# Altium PCB QO100-ADF4351-Ferq-FR4-1.6_V2.61.PcbDoc (part 2 of 2)
Units mm, origin at the board's own origin, x right, y up, seen from the top; angles counter-clockwise.
Board outline 92.08 x 41.15 mm, 2 copper layers (Top Layer, Bottom Layer); 118 components, 37 nets, 354 pads, 687 vias.
Unrouted connection lines stored in the file: 3.
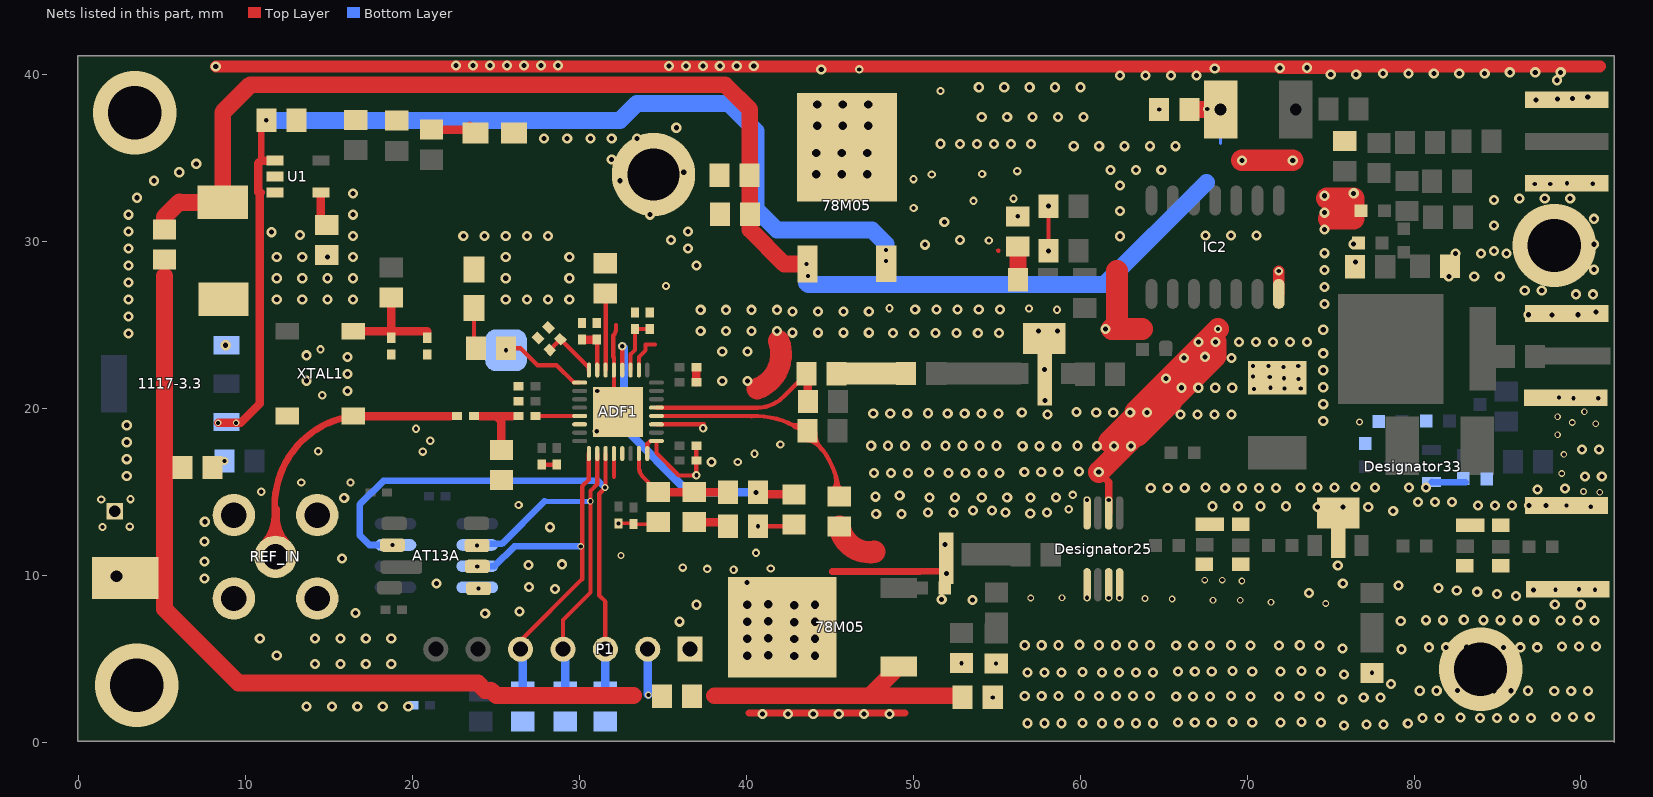
[diagram p2: the nets of this part, all layers, seen from the top]

## Via types
v1: diameter 0.61, hole 0.305, Top Layer to Bottom Layer, 509 vias
v2: diameter 0.4, hole 0.25, Top Layer to Bottom Layer, 84 vias
v3: diameter 0.5, hole 0.25, Top Layer to Bottom Layer, 54 vias
v4: diameter 1, hole 0.5, Top Layer to Bottom Layer, 28 vias
v5: diameter 0.6, hole 0.3, Top Layer to Bottom Layer, 7 vias
v6: diameter 5, hole 3.2, Top Layer to Bottom Layer, 4 vias
v7: diameter 0.508, hole 0.254, Top Layer to Bottom Layer, 1 vias

## Nets (pads, with @x,y where several pads share a name; then routed paths per layer and width w, separated by ;. In a path a pad name is that pad's centre, name@x,y a point inside that pad or via, vN(x,y) a via of type N, cw(c..) or ccw(c..) an arc to the next point about the centre after c; other vN are vias at no path point) (continued)
GND: 1n.1@19.058,37.252 1u.1 4.7k.2 10n.1 10u.2 51R.1@25.325,15.737 78M05.2 100n.1 360R.1 1117-3.3.1 ADF1.8 ADF1.9 ADF1.11 ADF1.18 ADF1.21 ADF1.33 AT13A.4 c1.2 C7.2 C8.1 C9.2 C10.1 C11.2 C12.1 C13.2 C14.1 C18.1 C22.2@42.851,13.07 C25.1 C26.1 C27.1 C28.1 C29.1 C30.1 C31.1 C32.1 C33.1@54.758,2.702 C33.2@56.258,31.527 C35.2 C38.1 C39.1 C88.2 c227.1 D41.1 D42.2 Designator25.1 Designator25.3 Designator25.4 Designator25.6 Designator25.8 Designator33.2 Designator37.1 Designator40.1 Designator41.2 Designator42.2 Designator43.1 IC2.7 LED1.2 LED2.2 P1.1 pad.3@89.133,14.202 pad.5@57.85,24.2 pad.5@75.45,13.75 pad.5@89.208,9.177 pad.6@51.98,11.581 pad.6@51.983,10.127 pad.6@57.874,20.834 pad.6@57.874,22.358 pad.6@75.458,12.052 pad.6@89.158,25.702 pad.7@23.95,9.225 pad.8 pad.9@67.433,10.683 pad.9@69.608,10.683 pad.9@69.608,13.083 pad.9@83.033,10.602 pad.9@85.208,10.602 pad.9@85.208,13.002 pad.9@89.158,38.502 pad.11 pad.17 pad.20 R0.1 R16.1 R17.1 R18.1 R-ATT1.1 R-ATT2.2 REF_IN.2 RL2.1 RL4.1 U1.2 XTAL1.2 | length 173.8
  Top Layer w0.2: v2(32.333,13.127) 33.183,13.127 C14.1@33.233,13.077 C88.2@34.603,13.077
  Top Layer w0.254: C11.2@27.738,16.645 C13.2@28.627,16.645 ; 32.183,25.019 32.183,24.758 cw(c31.649,24.758) 32.031,24.384 cw(c31.649,24.758) 32.027,24.38 32.027,23.11 32.06,23.077 ADF1.21@32.06,22.312 32.06,20.062 ADF1.33@32.31,19.812 ; ADF1.18@33.56,22.312 33.56,23.094 33.961,23.495 33.961,23.844 34.516,23.844 ; ADF1.8@34.06,17.312 34.06,17.879 34.243,18.062 ADF1.9@34.61,18.062 34.61,17.337 35.945,16.002 37.009,16.002 v3(37.001,16.01) C9.2@37.001,16.891 C7.2@37.001,17.78 ; ADF1.11@34.61,19.062 v3@37.454,19.062 ; v3(40.703,12.954) C22.2@42.735,12.954 ; 55.083,29.477 55.102,29.458 ; v1(58.099,29.458) v1(58.099,32.133)
  Top Layer w0.4: 45.133,10.252 45.135,10.25 46.581,10.25 ; 46.558,10.227 46.581,10.25 ; v5(51.983,10.127) 51.858,10.252 50.381,10.252 50.379,10.25 46.581,10.25
  Top Layer w0.43: 40.175,1.775 48.578,1.775 49.5,1.775 ; v1(61.11,16.202) 61.708,15.604 Designator25.6@61.708,13.752
  Top Layer w0.508: C26.1@37.001,21.59 C25.1@37.001,22.479
  Top Layer w0.7: v1(8.208,40.502) 22.608,40.502 23.624,40.502 24.64,40.502 25.656,40.502 26.672,40.502 27.688,40.502 28.704,40.502 35.358,40.502 36.374,40.502 37.39,40.502 38.406,40.502 39.422,40.502 40.438,40.502 44.483,40.502 46.758,40.502 62.387,40.502 63.911,40.502 65.435,40.502 66.959,40.502 68.058,40.502 71.958,40.502 73.583,40.502 75.009,40.502 76.533,40.502 78.137,40.502 79.661,40.502 81.185,40.502 82.709,40.502 84.233,40.502 91.133,40.502 91.15,40.519 ; IC2.7@71.893,26.877 v3(71.893,28.242) ; v1(71.958,40.402) 74.708,40.402
  Top Layer w1.3: 40.658,21.202 ccw(c39.87,23.265) 41.933,24.052 ; v1(61.11,16.202) 63.287,18.379 63.445,18.379 65.434,20.369 ; 61.708,18.027 64.05,20.369 65.344,20.369 68.108,23.133 v1(68.108,24.002) ; 62.208,28.252 62.208,25.077 61.908,24.777 63.7,24.777 ; 63.303,19.822 v3(68.258,24.777) ; v1(69.683,34.877) v1(72.731,34.877) ; v1@74.776,32.616 76.383,32.616 76.383,31.378 74.882,31.378 75.681,32.177
  Bottom Layer w0.4: Designator33.2@81.053,15.613 81.078,15.588 Designator40.1@83.078,15.588
  other v1: 75.808,1.027 77.158,1.077 78.174,1.077 56.849,1.152 57.865,1.152 58.881,1.152 61.308,1.152 62.324,1.152 63.34,1.152 64.356,1.152 79.628,1.138 60.131,1.177 65.849,1.202 66.865,1.202 67.881,1.202 70.308,1.202 72.006,1.202 74.433,1.202 69.131,1.227 73.256,1.227 80.515,1.477 81.531,1.477 83.958,1.477 84.974,1.477 85.99,1.477 87.006,1.477 82.781,1.502 88.499,1.527 89.515,1.527 90.531,1.527 40.958,1.713 42.482,1.713 44.006,1.713 45.53,1.713 47.054,1.713 48.578,1.713 13.641,2.159 15.165,2.159 16.689,2.159 18.213,2.159 19.737,2.159 75.708,2.577 76.983,2.702 77.999,2.702 65.749,2.752 66.765,2.752 67.781,2.752 70.208,2.752 71.906,2.752 74.333,2.752 56.674,2.777 57.69,2.777 58.706,2.777 61.133,2.777 62.149,2.777 63.165,2.777 64.181,2.777 69.031,2.777 73.156,2.777 59.956,2.802 88.399,3.077 89.415,3.077 90.431,3.077 80.34,3.102 81.356,3.102 83.783,3.102 84.799,3.102 85.815,3.102 86.831,3.102 82.606,3.127 78.628,3.513 75.808,4.077 56.849,4.202 57.865,4.202 58.881,4.202 61.308,4.202 62.324,4.202 63.34,4.202 64.356,4.202 60.131,4.227 65.849,4.252 66.865,4.252 67.881,4.252 70.308,4.252 72.006,4.252 74.433,4.252 69.131,4.277 73.256,4.277 14.149,4.699 15.673,4.699 17.197,4.699 18.721,4.699 11.863,5.207 79.253,5.588 75.708,5.627 80.89,5.702 81.906,5.702 84.333,5.702 85.349,5.702 86.365,5.702 87.381,5.702 83.156,5.727 88.874,5.752 89.89,5.752 90.906,5.752 65.749,5.802 66.765,5.802 67.781,5.802 70.208,5.802 71.906,5.802 74.333,5.802 56.674,5.827 57.69,5.827 58.706,5.827 61.133,5.827 62.149,5.827 63.165,5.827 64.181,5.827 69.031,5.827 73.156,5.827 59.956,5.852 10.847,6.223 14.149,6.223 15.673,6.223 17.197,6.223 18.721,6.223 35.993,7.239 79.203,7.288 88.774,7.302 89.79,7.302 90.806,7.302 80.715,7.327 81.731,7.327 84.158,7.327 85.174,7.327 86.19,7.327 87.206,7.327 82.981,7.352 24.35,7.725 16.575,7.75 26.4,7.85 37.009,8.255 89.983,8.252 88.433,8.277 53.549,8.533 51.699,8.558 86.108,8.777 84.967,8.902 73.708,8.952 83.783,9.027 82.558,9.102 87.158,9.127 28.535,9.202 81.458,9.252 26.975,9.325 79.078,9.413 21.425,9.525 75.733,9.527 40.033,9.577 7.525,9.832 75.433,10.602 26.95,10.625 28.95,10.675 7.525,10.848 15.775,11.025 7.525,12.048 28.225,12.9 7.55,13.225 47.774,13.683 49.298,13.683 57.008,13.727 58.008,13.777 50.874,13.783 52.398,13.783 55.523,13.783 78.75,13.875 74.208,14.102 75.732,14.102 77.256,14.102 67.932,14.152 69.456,14.152 70.808,14.152 72.332,14.152 83.833,14.202 84.849,14.202 85.865,14.202 86.881,14.202 87.897,14.202 80.24,14.402 81.256,14.402 82.272,14.402 15.9,14.65 50.974,14.683 52.498,14.683 54.099,14.683 55.623,14.683 57.024,14.683 58.548,14.683 47.733,14.727 49.183,14.802 87.403,15.163 89.053,15.213 64.226,15.252 65.242,15.252 66.258,15.252 68.685,15.252 69.701,15.252 70.717,15.252 71.733,15.252 67.508,15.277 73.201,15.277 74.217,15.277 75.233,15.277 77.66,15.277 79.692,15.277 80.708,15.277 76.483,15.302 90.233,15.927 91.249,15.927 2.874,15.958 47.651,16.152 48.667,16.152 49.683,16.152 52.11,16.152 53.126,16.152 54.142,16.152 55.158,16.152 50.933,16.177 56.651,16.202 57.667,16.202 58.683,16.202 59.933,16.227 37.908,16.802 2.874,16.974 90.058,17.552 91.074,17.552 56.551,17.752 57.567,17.752 58.583,17.752 61.01,17.752 62.026,17.752 63.042,17.752 47.476,17.777 48.492,17.777 49.508,17.777 51.935,17.777 52.951,17.777 53.967,17.777 54.983,17.777 59.833,17.777 50.758,17.802 2.874,17.99 2.874,19.006 74.558,19.252 58.033,19.652 66.01,19.652 67.026,19.652 68.042,19.652 69.058,19.652 47.601,19.702 48.617,19.702 49.633,19.702 52.06,19.702 53.076,19.702 54.092,19.702 55.108,19.702 50.883,19.727 56.501,19.777 60.96,19.777 61.976,19.777 62.992,19.777 64.008,19.777 59.783,19.802 74.558,20.268 57.883,20.502 16.101,21.066 66.06,21.252 67.076,21.252 68.092,21.252 69.108,21.252 74.558,21.284 13.65,21.673 38.55,21.658 40.074,21.658 65.133,21.802 16.101,22.082 74.558,22.3 66.208,23.027 69.058,23.027 16.101,23.098 67.474,23.108 13.65,23.197 74.558,23.316 38.55,23.433 40.074,23.433 8.8,23.8 67.092,24.002 69.519,24.002 70.535,24.002 71.551,24.002 72.567,24.002 73.583,24.002 2.973,24.511 48.783,24.527 50.053,24.527 51.323,24.527 52.593,24.527 53.863,24.527 55.133,24.527 42.761,24.552 44.285,24.552 45.809,24.552 47.333,24.552 37.261,24.652 38.785,24.652 40.309,24.652 41.833,24.652 74.558,24.727 61.508,24.777 2.973,25.527 88.258,25.602 86.858,25.627 89.833,25.627 90.908,25.802 42.761,25.822 44.285,25.822 45.809,25.822 47.333,25.822 37.261,25.922 38.785,25.922 40.309,25.922 41.833,25.922 50.112,25.946 51.382,25.946 52.652,25.946 53.922,25.946 55.192,25.946 74.633,26.268 2.973,26.543 11.863,26.543 13.387,26.543 14.911,26.543 16.435,26.543 25.579,26.543 26.849,26.543 28.119,26.543 29.389,26.543 89.708,26.852 90.724,26.852 86.633,27.077 87.649,27.077 74.633,27.284 2.973,27.559 11.863,27.813 13.387,27.813 14.911,27.813 16.435,27.813 25.579,27.813 29.389,27.813 82.083,27.927 83.607,27.927 85.131,27.927 74.633,28.3 90.783,28.327 2.973,28.575 37.009,28.575 76.483,28.777 11.863,29.083 13.387,29.083 14.911,29.083 16.435,29.083 25.579,29.083 29.389,29.083 74.633,29.316 82.483,29.302 84.007,29.302 85.531,29.302 84.783,29.452 2.973,29.591 36.501,29.591 50.7,29.825 76.383,29.854 90.783,29.851 35.485,30.099 52.8,30.1 62.383,30.329 16.435,30.353 23.039,30.353 24.309,30.353 25.579,30.353 26.849,30.353 28.119,30.353 67.51,30.377 69.034,30.377 70.558,30.377 13.25,30.4 11.55,30.575 2.973,30.607 36.501,30.607 74.633,30.727 84.783,30.976 51.858,31.177 90.783,31.375 2.973,31.623 16.435,31.623 34.215,31.623 74.633,31.743 62.383,31.853 84.783,32.5 86.308,32.602 87.832,32.602 89.356,32.602 3.481,32.639 74.633,32.759 16.435,32.893 76.383,32.902 62.383,33.377 4.497,33.655 32.437,33.655 6.021,34.163 33.961,34.163 35.231,34.163 36.247,34.163 61.81,34.302 63.334,34.302 64.858,34.302 7.037,34.671 31.929,34.925 59.612,35.727 61.136,35.727 62.66,35.727 64.184,35.727 65.708,35.727 52.802,35.85 53.818,35.85 54.834,35.85 55.85,35.85 57.05,35.85 51.625,35.875 27.865,36.195 29.262,36.195 30.659,36.195 31.929,36.195 33.453,36.195 35.799,36.833 54.099,37.483 55.623,37.483 57.147,37.483 58.671,37.483 60.195,37.483 87.308,38.502 88.583,38.552 89.483,38.577 90.408,38.677 53.924,39.258 55.448,39.258 56.972,39.258 58.496,39.258 60.02,39.258 88.558,39.677 62.387,39.952 63.911,39.952 65.435,39.952 66.959,39.952 75.009,40.027 76.533,40.027 78.137,40.077 79.661,40.077 81.185,40.077 82.709,40.077 84.233,40.077 85.737,40.152 87.261,40.152 88.785,40.152 44.483,40.327 68.058,40.377 73.583,40.427 35.358,40.527 36.374,40.527 37.39,40.527 38.406,40.527 39.422,40.527 40.438,40.527 22.608,40.552 23.624,40.552 24.64,40.552 25.656,40.552 26.672,40.552 27.688,40.552 28.704,40.552
  other v2: 54.758,2.702 77.483,4.177 54.958,4.727 52.883,4.752 74.708,8.327 71.433,8.402 67.958,8.527 69.583,8.527 65.508,8.602 63.883,8.627 57.033,8.652 61.708,8.652 62.358,8.652 58.908,8.677 60.408,8.677 88.483,9.152 90.833,9.152 89.883,9.177 23.95,9.225 69.683,9.677 67.458,9.727 68.508,9.727 32.483,11.202 90.583,14.127 89.133,14.202 60.408,14.527 61.708,14.527 91.128,14.988 90.153,15.038 88.853,16.113 88.978,17.263 88.603,18.438 90.883,19.102 89.483,19.177 76.733,19.202 88.603,19.513 90.203,19.813 89.558,20.627 91.033,20.627 88.678,20.663 70.408,21.177 72.233,21.202 73.208,21.202 71.408,21.252 73.083,21.777 72.208,21.827 71.358,21.902 70.358,21.927 72.183,22.502 70.358,22.552 71.283,22.552 73.058,22.552 56.258,31.527 87.233,33.452 88.158,33.452 90.708,33.477 89.158,33.502
  other v3: 39.233,10.352 37.658,10.402 41.458,10.427 36.183,10.477 40.576,11.362 1.424,12.908 3.049,12.933 59.308,13.977 26.35,14.225 1.349,14.558 3.099,14.583 59.549,14.833 10.933,15.027 13.325,15.575 16.283,15.577 39.483,16.802 8.728,16.866 40.483,17.302 20.608,17.427 14.35,17.45 42.033,17.852 21.058,18.077 31.033,18.652 20.2,18.8 37.408,18.827 14.583,20.802 31.058,21.052 14.483,23.552 58.608,25.927 48.576,26.015 56.933,26.002 35.183,27.352 54.525,30.075 50.017,32.021 53.608,32.452 55.999,32.583 50.008,33.752 51.099,34.033 54.124,34.058 56.224,34.233 64.733,37.927 51.624,39.033 46.758,40.327
  other v4: 42.857,5.182 40.057,5.207 44.108,5.202 41.308,5.227 42.857,6.198 40.057,6.223 44.108,6.218 41.308,6.243 42.857,7.214 40.057,7.239 44.108,7.234 41.308,7.259 42.857,8.23 40.057,8.255 44.108,8.25 41.308,8.275 44.192,34.051 45.716,34.051 47.24,34.051 44.192,35.321 45.716,35.321 47.24,35.321 44.242,36.951 45.766,36.951 47.29,36.951 44.242,38.221 45.766,38.221 47.29,38.221
  other v5: 51.908,11.852 53.568,13.894 54.711,13.894 57.874,22.358 57.493,24.644 58.636,24.644
  other v6: 3.481,3.429 83.983,4.377 88.408,29.777 3.354,37.719
NetADF1_1: ADF1.1 AT13A.3 P1.5 pad.2@23.875,10.55 R16.2 | length 22.6
  Top Layer w0.254: P1.5@26.468,5.588 26.468,6.096 30.158,9.786 30.158,15.352 30.56,15.754 ADF1.1@30.56,17.312
  Bottom Layer w0.4: AT13A.3@24,10.565 24.915,10.565 26.1,11.75 v2(30.075,11.75)
  Bottom Layer w0.508: P1.5@26.468,5.588 26.595,5.461 R16.2@26.595,3.059
  other v2: 23.875,10.55
NetADF1_2: ADF1.2 AT13A.2 P1.4 pad.1@23.85,11.8 R17.2 | length 22.5
  Top Layer w0.254: P1.4@29.008,5.588 29.008,7.346 30.658,8.996 30.658,15.077 31.06,15.479 ADF1.2@31.06,17.312
  Bottom Layer w0.3: 27.9,14.45 v2(30.65,14.45)
  Bottom Layer w0.4: AT13A.2@24.35,11.9 25.35,11.9 27.9,14.45
  Bottom Layer w0.508: P1.4@29.008,5.588 29.135,5.461 R17.2@29.135,3.059
  other v2: 23.85,11.8
NetADF1_3: ADF1.3 AT13A.7 P1.3 pad.5@18.8,11.825 R18.2 | length 34.2
  Top Layer w0.254: P1.3@31.548,5.588 31.548,8.437 31.183,8.802 31.183,14.902 31.56,15.279 ADF1.3@31.56,17.312
  Bottom Layer w0.4: AT13A.7@18.975,11.835 17.415,11.835 16.825,12.425 16.825,14.25 18.25,15.675 31.125,15.675 v2(31.525,15.275)
  Bottom Layer w0.508: R18.2@31.548,3.059 P1.3@31.548,5.588
  other v2: 18.8,11.825
NetADF1_4: ADF1.4 | length 1.4
  Top Layer w0.254: 32.06,15.925 ADF1.4@32.06,17.312
NetADF1_5: ADF1.5
NetADF1_7: 80R.2 ADF1.7 C20.1 C88.1 | length 7
  Top Layer w0.254: ADF1.7@33.56,17.312 33.56,16.536 ccw(c34.495,16.536) 33.834,15.875 C88.1@34.514,15.195 ; C88.1@34.514,15.195 cw(c34.316,14.997) C88.1@34.596,14.997
  Top Layer w0.508: C88.1@34.596,14.997 36.755,14.997 36.766,14.986 80R.2@38.903,14.986
NetADF1_12: 3.9uh.2 ADF1.12 C115.1 | length 20
  Top Layer w0.254: ADF1.12@34.596,19.562 ADF1.12@34.61,19.562 40.692,19.562 ; 40.308,19.552 cw(c40.533,14.527) C115.1@45.558,14.752 ; 42.503,19.133 ccw(c42.919,19.857) 3.9uh.2@43.391,19.167 ; 42.853,18.931 ccw(c43.173,19.486) 3.9uh.2@43.534,18.958 ; 3.9uh.2@43.642,18.104 cw(c43.612,17.216) 44.262,17.823 ; 3.9uh.2@43.877,18.57 ccw(c44.658,18.543) 3.9uh.2@44.087,18.01 ; 3.9uh.2@44.131,18.561 ccw(c45.525,18.514) 44.506,17.562 ; C115.1@45.124,15.087 ccw(c44.526,15.687) 45.359,15.839 ; C115.1@45.303,14.907 ccw(c44.94,15.271) 45.446,15.364 ; 45.392,15.659 ccw(c46.185,15.804) C115.1@45.727,15.141
NetADF1_13: 51R.2@43.683,20.427 ADF1.13 C119.1 | length 11.3
  Top Layer w0.254: ADF1.13@34.61,20.062 40.662,20.062 ccw(c40.662,22.244) 42.205,20.701 C119.1@43.475,21.971
  Top Layer w0.508: C119.1@43.602,22.098 43.683,22.017 51R.2@43.683,20.427
NetADF1_19: ADF1.19 C31.2 C32.2 | length 3.2
  Top Layer w0.254: ADF1.19@33.06,22.312 33.06,23.254 33.326,23.52 C31.2@33.326,24.773 33.961,24.773
NetADF1_20: 80R.1 ADF1.20 C22.1@42.851,14.87 | length 18.1
  Top Layer w0.254: ADF1.20@32.56,22.312 v7(32.56,23.745)
  Top Layer w0.508: v1(40.576,14.986) 40.692,14.87 C22.1@42.724,14.87
  Bottom Layer w0.508: v7(32.56,23.745) 32.666,23.639 32.666,18.863 36.543,14.986 v1(40.576,14.986)
NetADF1_22: 4.7k.1 ADF1.22 | length 4.6
  Top Layer w0.254: 4.7k.1@31.548,26.913 31.569,26.892 31.569,22.321 ADF1.22@31.56,22.312
NetADF1_23: ADF1.23 C29.2@31.04,24.138 C30.2 | length 2.7
  Top Layer w0.254: C29.2@30.977,24.138 31.06,24.055 ADF1.23@31.06,22.312
  Top Layer w0.508: C30.2@30.151,24.138 C29.2@30.977,24.138
NetADF1_24: ADF1.24 C27.2 C28.2@28.219,23.522 | length 3.5
  Top Layer w0.254: C28.2@28.219,23.522 C27.2@28.854,24.157 30.56,22.451 ADF1.24@30.56,22.312
NetADF1_25: 680R.1 ADF1.25 pad.0@25.6,23.5 | length 5.3
  Top Layer w0.254: 680R.1@25.59,23.622 26.468,23.622 27.484,22.606 28.627,22.606 29.671,21.562 ADF1.25@30.01,21.562
  other v2: 25.6,23.5
NetADF1_29: ADF1.29 C24.2 | length 2.7
  Top Layer w0.254: C24.2@27.349,19.558 27.749,19.558 27.753,19.562 ADF1.29@30.01,19.562 ADF1.29@30.006,19.558
NetADF1_30: ADF1.30
NetC1_2: 1UH.1@5.132,30.745 10u.1@11.233,37.277 10u.1@40.208,31.652 78M05.1@43.656,28.671 78M05.3@48.378,28.675 1117-3.3.3 c1.1 C33.1@56.258,29.727 C35.1 C39.2 L34.1 LN.1 pad.12 U1.1 U1.3 | length 157.2
  Top Layer w0: LN.1@68.24,37.952 LN.1@68.708,37.952
  Top Layer w0.3: 10.683,34.221 10.683,33.177 10.753,33.107 10.908,32.952
  Top Layer w0.4: 10.933,34.884 10u.1@10.933,37.202
  Top Layer w0.5: v2(8.35,19.15) v2(9.425,19.15) 9.7,19.15 10.839,20.289
  Top Layer w0.508: c1.1@8.625,32.366 c1.1@9.218,32.959 ; 10.753,32.959 10.753,33.107 10.753,34.704 10.908,34.859 U1.1@11.758,34.859 ; 10.839,20.289 10.839,32.883 10.908,32.952
  Top Layer w1: 32.074,39.408 38.727,39.408 40.208,37.927 10u.1@40.208,31.652 40.208,30.727 42.264,28.671 78M05.1@43.656,28.671
  Top Layer w1.016: 1UH.1@5.132,30.745 5.132,31.496 6.021,32.385 6.04,32.366 c1.1@8.625,32.366 8.625,37.759 10.274,39.408 32.708,39.408 ; L34.1@56.233,27.677 L34.1@56.283,27.727 C33.1@56.283,29.702 ; C39.2@66.533,37.927 LN.1@68.408,37.927 LN.1@68.683,37.927
  Bottom Layer w0.2: 68.408,35.883 pad.12@68.408,37.927
  Bottom Layer w1.016: v3(11.233,37.277) 32.433,37.277 33.433,38.277 38.933,38.277 40.583,36.627 40.583,31.952 41.833,30.702 47.533,30.702 48.358,29.877 v3(48.358,29.502) v3(48.358,28.852) ; v3(43.608,28.677) 43.608,27.527 43.708,27.427 61.433,27.427 67.558,33.552
  other v3: 43.683,27.952 67.608,37.952
NetC3_2: 10n.2@14.858,31.002 U1.4 | length 1.6
  Top Layer w0.508: U1.4@14.508,32.959 14.508,31.383 10n.2@14.53,31.361
NetC4_2: 78M05.1@49.133,4.541 C33.2@52.958,2.702 L2.1 | length 17.4
  Top Layer w1: 38.092,2.802 47.394,2.802 ; 78M05.1@49.133,4.541 47.394,2.802 ; C33.2@52.958,2.702 52.858,2.802 47.394,2.802
NetC6_2: 
NetC15_2: 1UH.1@18.721,26.659 10n.2@18.721,24.249 100n.2 XTAL1.4 | length 6.5
  Top Layer w0.508: XTAL1.4@16.435,24.638 20.869,24.638 20.88,24.649 ; 18.721,24.649 1UH.1@18.721,26.659
NetC20_2: 360R.2 C20.2 | length 2.1
  Top Layer w0.508: C20.2@36.755,13.197 38.66,13.197 360R.2@38.776,13.081
NetC23_1: 
NetC23_2: 1n.2@23.666,19.558 51R.2@25.325,17.537 C24.1 | length 4.1
  Top Layer w0.508: 24.066,19.558 25.008,19.558 ; 51R.2@25.325,17.537 25.325,19.241 25.008,19.558 ; 25.96,19.547 25.949,19.558 25.008,19.558
NetD1_1: 102.1 LED1.1 | length 2.4
  Top Layer w0.508: 102.1@21.134,36.714 23.184,36.714 LED1.1@23.42,36.95
NetD2_1: 680R.2 LED2.1 | length 2.5
  Top Layer w0.254: LED2.1@23.674,26.028 23.674,23.738 680R.2@23.79,23.622
NetL1_2: 1UH.2@5.132,28.945 10u.1@6.2,16.475 L2.2 P1.2 pad.1@2.783,9.852 pad.16 | length 53
  Top Layer w1.016: 5.132,27.95 5.132,8.001 9.577,3.556 23.908,3.556 ; 23.888,3.576 23.908,3.556 ; 33.233,2.802 25.031,2.802 24.709,3.124 24.34,3.124 23.908,3.556
  Bottom Layer w0.5: P1.2@34.088,5.588 34.088,2.887 v2(34.125,2.85)
NetO1_1: 
NetO2_1: 
NetR7_1: 1n.1@22.666,19.558 REF_IN.1 XTAL1.3 | length 21.6
  Top Layer w0.4: 11.759,13.733 cw(c17.15,14.194) XTAL1.3@16.435,19.558
  Top Layer w0.508: REF_IN.1@11.068,11.846 ccw(c9.334,13.58) 11.787,13.58 ccw(c14.239,13.58) REF_IN.1@12.505,11.846 ; REF_IN.1@11.787,11.127 11.787,13.975 ; XTAL1.3@16.308,19.558 XTAL1.3@16.435,19.558 18.583,19.558 18.874,19.558 ; 18.2,19.558 22.266,19.558
NetR8_1: 
NetR15_2: C115.2 | length 2.8
  Top Layer w1.336: C115.2@45.583,12.927 ccw(c47.371,13.214) 47.658,11.427
NetR19_2: C119.2 pad.1@47.499,22.108 RR0.1
VOUT: 
pads on no net: 78M05.3@49.129,9.263 330nh.1 330nh.2 1117-3.3.2 1117-3.3.4 ADF1.14 ADF1.15 AT13A.1 AT13A.5 AT13A.6 AT13A.8 C12.2 C17.1 C17.2 C22.1@56.433,11.252 C22.2@58.233,11.252 C23.1 C23.2 C25.2@52.883,6.552 C26.2@54.958,6.527 C28.2@59.899,29.458 C29.2@59.899,32.133 C34.1 C34.2 C37.1 C37.2 C38.2 C40.1 C40.2 C45.1 C45.2 C46.1 C46.2 c227.2 D41.2 D42.1 DD.1 DD.2 Designator25.2 Designator25.5 Designator25.7 Designator27.1 Designator27.2 Designator29.1 Designator29.2 Designator30.1 Designator30.2 Designator31.1 Designator31.2 Designator33.1 Designator33.3 Designator35.1 Designator35.2 Designator37.2 Designator40.2 Designator41.1 Designator42.1 Designator43.2 FU1.1 FU1.2 IC2.1 IC2.2 IC2.3 IC2.4 IC2.5 IC2.6 IC2.8 IC2.9 IC2.10 IC2.11 IC2.12 IC2.13 IC2.14 L4.1 L4.2 L24.1 L24.2 L25.1 L25.2 L27.1 L27.2 L34.2 L37.1 L37.2 LN.2 PR.1 PR.2 R19.1 R19.2 R*.1 R*.2 R-ATT1.2 R-ATT2.1 R-ATT3.1 R-ATT3.2 RL2.2 RL3.1 RL3.2 RL4.2 RR0.2 RR.1 RR.2 RRL.1 RRL.2 XTAL1.1
copper on no net: | length 290.2
  Top Layer w0.152: 84.958,26.877 84.983,26.852
  Top Layer w0.2: 18.45,15.95 18.45,15.975
  Top Layer w0.254: 17.475,14.975 17.475,13.556 17.475,13.525 17.825,13.175 ; 17.806,13.175 v2(18.25,13.175) v2@18.075,13.175 ; 18.375,7.95 18.15,8.175 18.15,8.419 18.15,8.8 18.625,9.275 ; 18.475,14.975 18.869,14.975 ; v2(18.9,13.125) 20.175,13.125 20.65,12.65 20.65,8.475 20.65,8.6 20.65,8.4 20.35,8.1 20.2,7.95 19.375,7.95 ; 18.924,15 21.025,15 21.425,14.6 v2(21.425,13.225)
  Top Layer w0.3: 17.475,14.975 18.45,15.95
  Top Layer w0.4: v2(18.2,17.775) 18.45,17.525 18.45,15.975 ; v2(22.878,1.138) 22.96,1.056 v2@55.51,1.056
  Top Layer w0.45: 54.383,11.277 54.983,10.677 ; 59.908,11.302 60.658,11.302 61.058,10.902 61.058,9.452 ; 61.058,13.752 61.058,12.302 61.708,11.652 63.108,11.652 ; 62.358,13.752 62.358,15.927 63.783,17.352 64.824,17.352 65.434,17.352 ; 69.608,11.808 69.877,11.808 69.908,11.777 ; 69.908,11.802 71.286,11.802 ; 72.683,11.802 73.297,11.802 74.057,11.802 74.061,11.798 ; 83.008,11.752 83.058,11.752
  Top Layer w0.5: 65.125,23.675 66.732,25.282 66.813,25.282
  Top Layer w0.6: 66.246,11.833 67.458,11.833
  Top Layer w0.63: 79.425,33.627 81.083,33.627 81.083,33.292 ; 81.133,31.477 81.133,33.477 ; 81.291,36.002 82.908,36.002 ; 82.883,31.837 82.883,33.627 83.658,33.627 84.483,33.627 85.908,35.052 85.908,35.21 ; 82.883,31.887 82.933,31.837 82.933,31.477
  Top Layer w0.65: 60.174,32.458 60.274,32.358 60.274,27.833 ; 60.274,22.063 60.274,26.033
  Top Layer w0.7: 59.899,29.458 60.602,29.458 ; 60.849,29.477 63.308,29.477 64.274,30.443 ; 62.074,22.063 63.024,22.063 ; 63.024,22.077 63.627,22.077 63.975,22.425 63.975,23.075 ; 64.273,26.877 64.274,26.878 64.274,30.443 ; 64.273,31.342 64.273,32.477 ; 64.274,31.208 64.274,30.443 ; 65.543,26.877 65.543,28.537 66.133,29.127 69.933,29.127 70.458,28.602 ; 66.813,25.282 66.813,26.877 ; 69.353,26.877 69.353,25.239 69.465,25.127 72.858,25.127 73.533,25.802 73.533,33.333 74.167,33.967 74.184,33.95 76.049,33.95 77.45,33.95 77.483,33.983 ; 70.623,26.877 70.623,28.602 ; 71.893,31.412 71.893,32.477 ; 85.908,35.052 85.908,36.027 85.908,37.277
  Top Layer w0.8: 81.681,11.752 83.058,11.752 ; 85.233,37.952 85.908,37.277
  Top Layer w1: 52.883,6.552 53.581,6.552 ; 52.908,6.527 54.958,6.527 ; v2@54.958,6.802 55.158,6.602 ; 54.983,8.977 54.983,10.152 54.983,10.677 ; 76.858,11.798 77.008,11.648 ; 78.283,29.427 78.408,29.427 ; 79.375,27.125 79.383,26.127
  Top Layer w1.016: 73.233,37.952 73.983,37.952 ; 76.858,37.952 85.233,37.952
  Top Layer w1.4: 85.55,36.027 85.908,36.027 90.983,36.027
  Bottom Layer w0.2: v2@18.975,10.565 19.935,10.565 20.7,9.8 20.7,9.25 22.5,7.45 22.5,2.5 24.1,0.9
  Bottom Layer w0.254: v2@18.975,13.105 18.975,14.311 19.375,14.711 20.874,14.711 ; 21.999,14.736 23.039,14.736 23.589,14.536 23.875,14.25 v2@23.875,13.105
  Bottom Layer w0.4: 8.85,21.5 11.85,21.5 15.575,17.775 v2@18.225,17.775 ; v2@18.975,9.295 18.975,8.9 20.15,7.725 20.826,7.725 21.276,7.275 ; 20.999,5.199 cw(c20.06,4.26) 21.388,4.26 cw(c22.716,4.26) 21.777,5.199 ; 21.388,7.163 21.388,5.588 21.388,1.828 22.078,1.138 v2(22.878,1.138) ; v2(55.478,1.063) 56.335,1.92 77.13,1.92 78.285,1.92 79.683,3.318 79.683,3.669 79.978,3.965 79.978,10.038 79.978,13.729 78.899,14.808 78.803,14.904 78.803,16.563 79.051,16.811 78.701,16.811 79.253,17.363 79.253,19.388 ; 81.053,17.513 81.98,17.513 82.105,17.388 83.078,17.388 ; 82.353,17.388 82.353,19.239 ; 82.377,17.942 82.377,19.263 ; 87.303,17.781 87.585,17.781 87.728,17.638
  Bottom Layer w0.7: v2(64.3,26.5) 66.625,26.5 ; 66.45,26.5 v2(68.075,26.5)
  Bottom Layer w1: v2(49.158,9.252) 49.158,7.827 49.883,7.102 55.308,7.102 77.608,7.102
  Bottom Layer w1.3: 87.728,16.813 87.728,17.638
  Bottom Layer w1.4: 87.283,18.333 v2(87.283,23.177)
  other v2: 55.083,6.927 77.308,7.102 18.85,9.275 18.175,9.325 18.925,10.55 23.825,13.125

## Polygon pours and split planes (outlines as drawn)
GND on Top Layer "Bottom Layer-No Net" (solid, remove dead copper, pour order 17): -0.075,41.148 -0.075,0 57.15,0 57.1,0.05 57.1,41.154
GND on Top Layer "Bottom Layer-No Net" (solid, remove dead copper, pour order 13): 74.6,23.975 74.2,24.375 56.9,24.375 56.9,41.175 56.875,41.2 56.927,41.148 74.75,41.148
GND on Bottom Layer "Bottom Layer-No Net" (solid, pour order 9): -0.075,0 -0.075,41.148 92.008,41.148 92.008,0

## Keep-outs
Keep-Out Layer:
  lines w0.254: -0.075,0 -0.075,41.148 ; 0,0 92.008,0 92.008,41.148 0,41.148 90.324,41.158

## Other copper
Top Layer:
  rectangle net GND: 82.65,13.65 86.65,15.45
  rectangle net GND: 85.85,13.7 91.6,16.125
  rectangle net NetC1_2: 48.1,27.677 56.233,28.125
  rectangle net GND: 58.725,23.275 59.4,25.355
  rectangle net GND: 69.533,19.375 74.55,20.852
  rectangle net GND: 57.075,40.687 73.959,40.85
  rectangle net GND: 38.5,3.75 46.625,10.675
  rectangle net GND: 41.581,31 50.15,40.086
  rectangle: 58.058,27.502 60.308,28.277
  rectangle net GND: 46.783,12.477 51.033,13.477
  rectangle net GND: 51.558,8.002 52.433,10.252
  rectangle net GND: 39.408,3.652 46.233,4.352
  rectangle net GND: 74.882,27.727 76.983,31.378
  rectangle net GND: 81.608,27.877 84.783,30.127
  rectangle net GND: 84.008,27.677 86.733,32.902
  rectangle net GND: 81.608,27.227 87.649,28.427
  rectangle net GND: 74.458,38.877 91.658,40.852
  rectangle net GND: 32.508,25.452 34.233,26.027
  rectangle net NetC1_2: 68.958,37.427 70.283,38.427
  rectangle net GND: 76.158,2.977 78.883,4.502
  rectangle net GND: 84.683,9.502 85.733,10.427
  rectangle net GND: 82.508,9.702 83.558,10.602
  rectangle net GND: 78.483,2.627 91.683,10.177
  rectangle net GND: 76.458,0.302 91.683,3.277
  rectangle net GND: 61.708,7.252 76.508,10.2
  rectangle net GND: 56.208,8.002 60.408,9.577
  rectangle net GND: 56.208,0.302 76.533,8.252
  rectangle net GND: 86.608,25.252 91.708,34.052
  rectangle net GND: 85.783,15.152 91.658,21.252
  rectangle net GND: 76.883,13.427 82.883,15.477
  rectangle net GND: 73.658,13.502 77.483,15.577
  rectangle net GND: 63.233,13.477 74.358,15.627
  rectangle net GND: 74.125,24.252 75.033,33.202
  rectangle net GND: 74.808,18.852 77.133,19.652
  rectangle net GND: 74.283,18.902 74.983,21.152
  rectangle net GND: 68.308,20.952 75.008,24.527
  rectangle net GND: 66.608,20.777 71.433,22.827
  rectangle net GND: 61.708,19.152 69.533,20.852
  rectangle net GND: 60.233,15.277 61.883,20.802
  rectangle net GND: 37.083,18.602 37.608,19.062
  rectangle net GND: 36.858,15.952 42.383,18.777
  rectangle net GND: 40.058,21.877 41.658,24.002
  rectangle net GND: 37.233,20.527 40.783,23.727
  rectangle net GND: 56.983,25.127 59.158,26.702
  rectangle net GND: 34.658,26.652 53.958,27.302
  rectangle net GND: 33.961,23.602 34.933,23.952
  rectangle net GND: 34.233,25.452 35.083,26.077
  rectangle net GND: 36.931,23.277 57.058,26.727
  rectangle net GND: 46.908,13.277 60.483,20.777
  rectangle: 66.958,16.377 70.583,18.352
  rectangle: 73.433,16.452 78.683,18.352
  rectangle: 83.308,18.402 84.808,21.302
  rectangle: 87.908,11.202 91.683,12.227
  rectangle net GND: 31.861,25.577 32.733,26.058
  rectangle net GND: 31.929,24.511 32.691,25.802
  rectangle net GND: 37.233,18.602 37.608,19.202
  rectangle net GND: 66.908,9.333 70.133,10.308
  rectangle net GND: 72.183,8.952 76.183,9.627
  rectangle net GND: 75.008,9.152 75.883,11.702
  rectangle: 77.183,11.127 79.758,12.452
  rectangle: 76.783,9.527 78.133,11.477
  rectangle net GND: 82.508,13.052 85.758,14.077
  rectangle net NetC4_2: 37.335,2.061 39.166,3.552
  rectangle: 63.033,11.402 64.233,12.202
  rectangle: 80.808,11.227 82.308,12.252
  rectangle: 58.683,10.552 59.808,11.952
  rectangle net GND: 50.883,12.477 53.258,15.502
  rectangle net GND: 69.025,34.325 73.425,35.45
  rectangle: 85.45,11.35 86.6,12.1
  rectangle: 71.05,37.425 71.975,38.4
  rectangle net GND: 16.875,15.575 17.625,16.377
  rectangle net NetR15_2: 47.3,10.725 50.975,11.925
  rectangle net GND: 74.45,35.4 75.225,36.625
  rectangle net GND: 61.126,22.95 63.175,25.284
  rectangle: 78.775,26.475 79.875,29.15
  rectangle: 78.925,30.75 79.7,31.825
  rectangle: 78.45,31.5 79.5,32.15
  rectangle: 78.3,35.575 79.325,36.325
  rectangle: 78.875,29.075 79.125,29.8
  pour cut-out: 42.683,23.627 42.633,23.577 42.633,20.702 63.133,20.702 63.183,20.752 63.158,20.777 63.158,23.652
  pour cut-out: 46.908,13.277 46.933,13.252 46.933,9.652 60.333,9.652 60.408,9.577 60.483,9.652 60.483,13.277
  pour cut-out: 29.358,23.027 29.358,16.677 35.308,16.677 35.308,23.027
Bottom Layer:
  rectangle net GND: 46.375,12.05 69.5,20.2
  rectangle net GND: 38.425,3.275 46.375,10.5
  rectangle net GND: 42.55,31.475 49.525,39.4
  rectangle: 77.253,16.363 78.403,16.763
  rectangle: 84.103,17.188 84.353,18.513
  rectangle: 82.377,18.813 83.903,19.263
  rectangle: 85.553,16.963 86.128,18.713
  rectangle net AVDD: 20.372,30.226 21.896,35.56
  rectangle: 23.575,3.05 24.25,5.588
  rectangle net NetC1_2: 67.375,33.35 68.725,36.175
  rectangle net NetC1_2: 67.4,36.525 69.425,39.25
  rectangle: 83.575,20.5 84.85,21.6

## Silkscreen, mask and mechanical layers (free items; w line width, h text height)
Top Overlay:
  circle w0.1: c18.161,15.1 r1.164
  lines w0.152: 25.193,4.363 25.03,4.2 20.175,4.2 20.175,7.025 25.031,7.025 25.198,6.858 ; 75.383,20.252 75.383,26.877 84.958,26.877 ; 75.508,20.277 84.983,20.277 84.983,26.852
  text "LNB" at 82.05,39.175 h2.5
  text "LNB REF 25M" at 53.85,37.425 h1
  text "POWER" at 28.35,36.925 h0.7
  text "LOCK DECTET" at 22.558,31.227 h0.7
  text "430M" at 82.525,26.9 h2
  text "RF_50R 5W" at 75.825,22.825 h1
  text "50R 1W" at 69.1,19.925 h0.8 r90
  text "2.4G" at 87.3,17.725 h2.5
  text "U/V" at 17.25,16.575 h0.8
  text "V3.3" at 20,12.85 h1.4
  text "RST" at 25.3,12.825 h1.4
  text "GND" at 7.208,12.502 h0.8 r90
  text "SCK" at 20.225,11.55 h1.4
  text "MI" at 20.85,10.325 h1.4
  text "V+" at 7.208,9.052 h0.8 r90
  text "G" at 25.3,8.9 h1.4
  text "MO" at 20.6,8.625 h1.4
  text "Eshail2 QO100" at 56.225,6.525 h2
  text "UP/DOW  freq converter" at 58.6,4.575 h1
  text "CLK" at 26,4.05 h0.8 r270
  text "DAT" at 28.675,4.05 h0.8 r270
  text "VCC" at 33.675,3.975 h0.8 r270
  text "GND" at 37.125,3.975 h0.8 r270
  text "PTT" at 20.775,3.85 h1.5 r270
  text "LE" at 31.325,3.85 h0.8 r270
  text "LED" at 23.6,3.7 h1.5 r270
  text "By BG0AUB" at 73.875,1.625 h0.8
  text "V2.61  20190930" at 61.45,1.475 h1
  text "TX-V" at 41.008,1.377 h1
Bottom Overlay:
  text "LOCK DECTET" at 28.341,25.239 h0.7
  text "PTT" at 88.7,12.55 h2
Top Solder:
  rectangle: 63.575,23.125 64.375,23.825
  rectangle: 64.725,23.3 65.475,24.075
  rectangle: 86.6,37.975 91.7,40.025
  rectangle: 86.7,31.9 91.708,34.052
  rectangle: 86.725,25.175 91.75,27.275
  rectangle: 87.425,18.575 91.658,21.252
  rectangle: 86.75,13.875 91.625,15.825
  rectangle: 86.15,7.55 91.683,10.177
  rectangle: 69.975,19.65 73.725,23
  rectangle: 74.217,12.825 76.725,15.277
  rectangle: 89.183,11.202 91.683,12.227
  rectangle: 0.733,11.827 3.908,15.127
  rectangle: 30.808,18.302 33.783,21.327
  rectangle: 46.208,20.875 63.158,23.15
  rectangle: 50.225,9.952 59.708,13.308
  rectangle: 74.958,9.627 75.958,11.227
  rectangle: 63.108,10.275 88.458,13.375
  rectangle: 74.158,14.402 76.758,15.627
  rectangle: 56.525,23.35 59,25.925
  rectangle: 69.4,37.427 70.283,38.425
  rectangle: 70.983,37.427 72.583,38.427
  rectangle: 46.933,10.3 50.4,12.5
Bottom Solder:
  rectangle: 75.475,20.275 84.875,38.675
  rectangle: 42.45,31.575 49.525,39.375
  rectangle: 38.425,3.25 46.3,10.5
  rectangle: 86.575,37.875 91.725,39.875
  rectangle: 86.575,32.2 91.708,34.052
  rectangle: 86.675,25.252 91.708,27.425
  rectangle: 88.225,18.675 91.658,21.252
  rectangle: 87.175,13.702 91.633,15.477
  rectangle: 88.075,8.175 91.625,10.325
  rectangle: 67.4,36.525 69.425,39.25
  rectangle: 67.375,33.35 68.725,36.175